# Altium PCB PCB1_backup1.PcbDoc
Units mil, origin at the board's own origin, x right, y up, seen from the top; angles counter-clockwise.
Board outline 2660 x 2700 mil, 2 copper layers (Top Layer, Bottom Layer); 58 components, 43 nets, 237 pads, 32 vias.
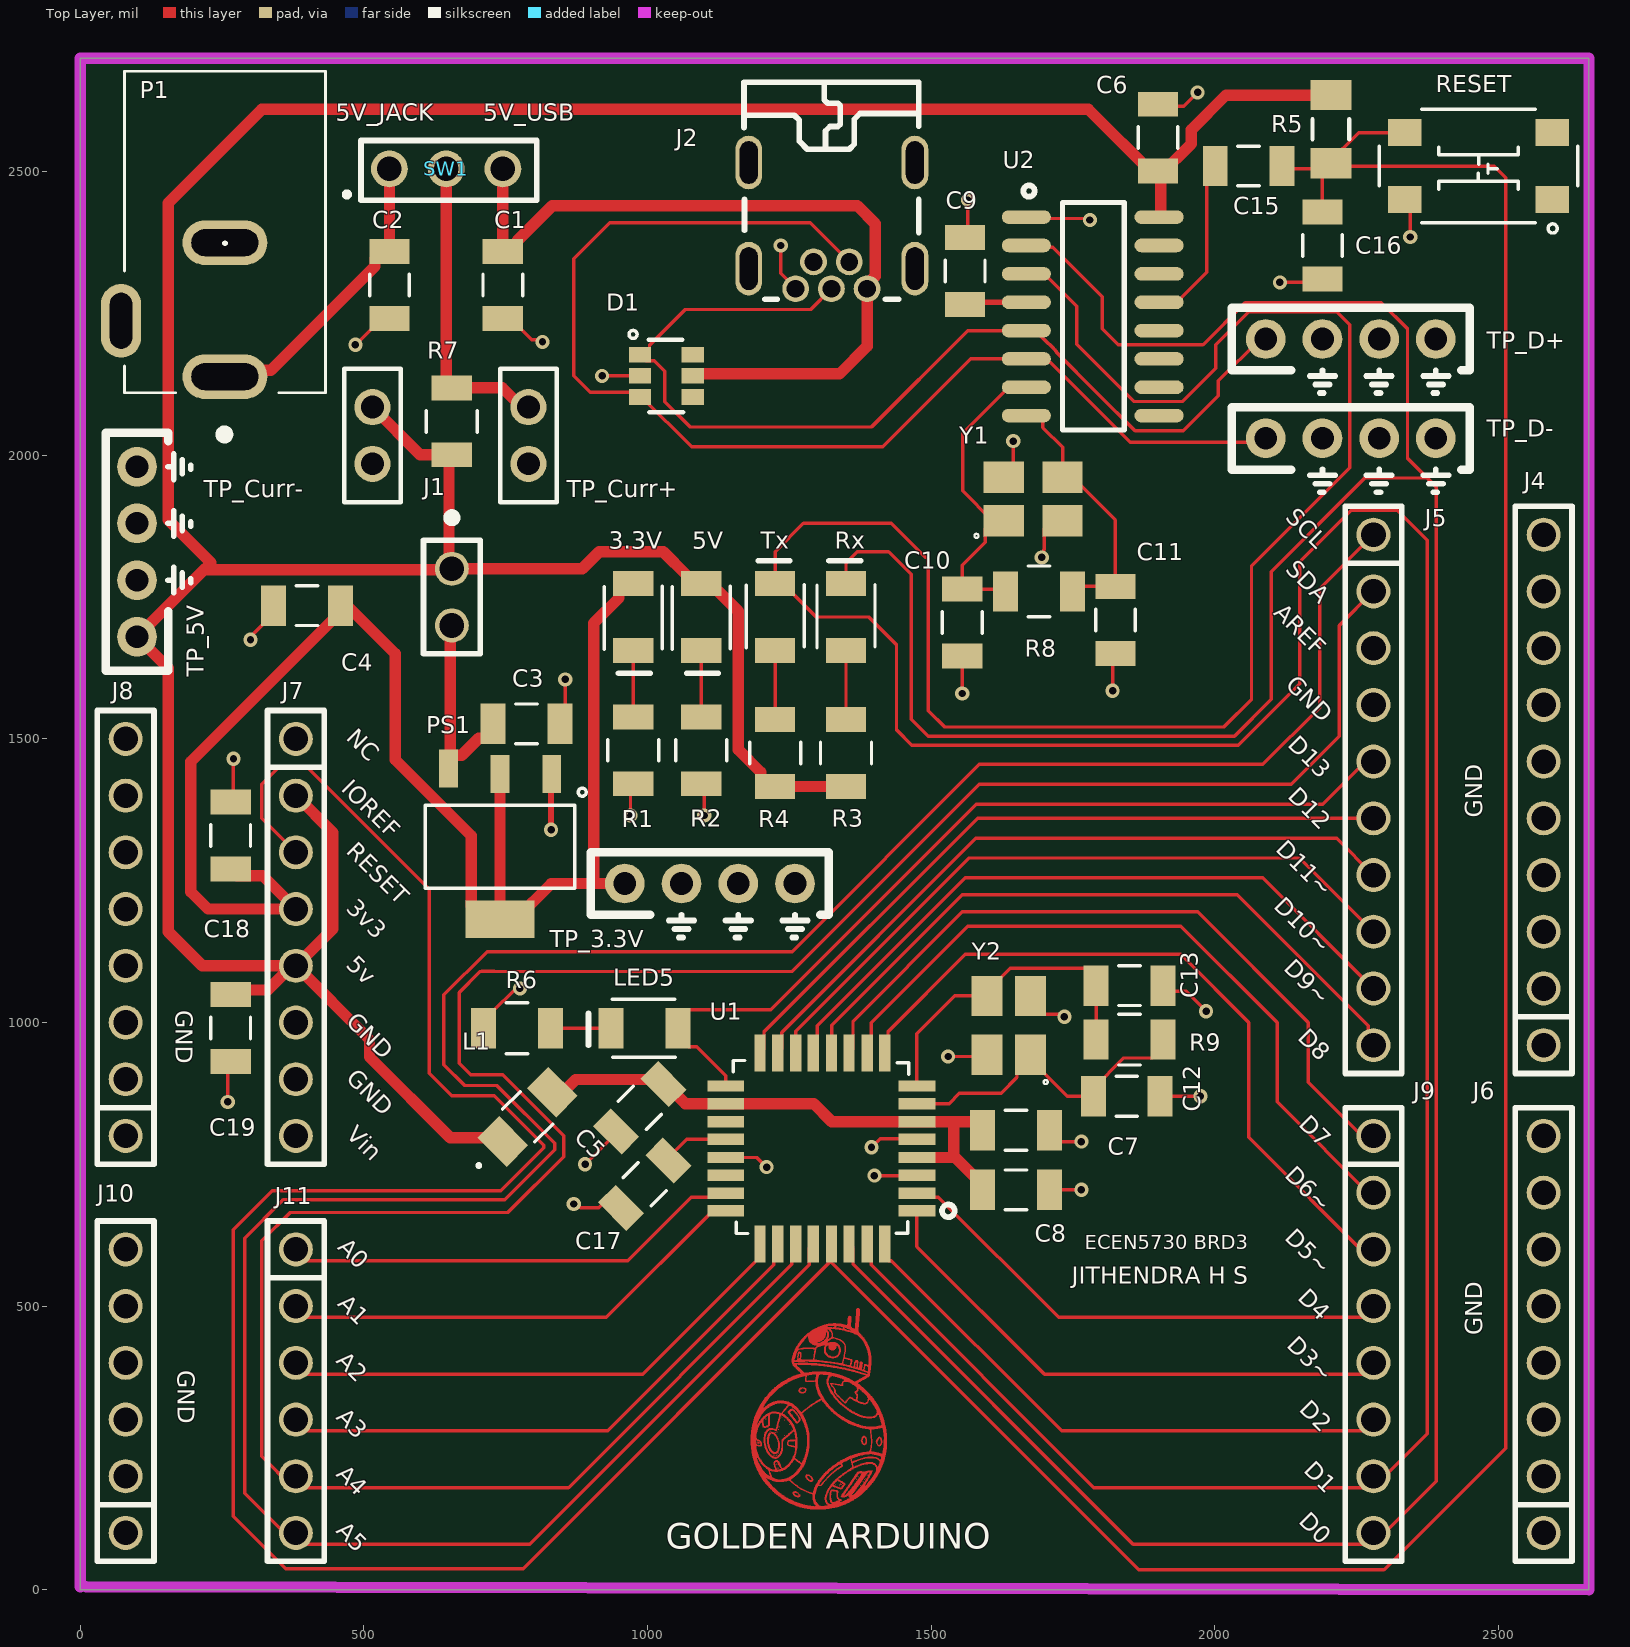
[diagram p0: Top Layer view]
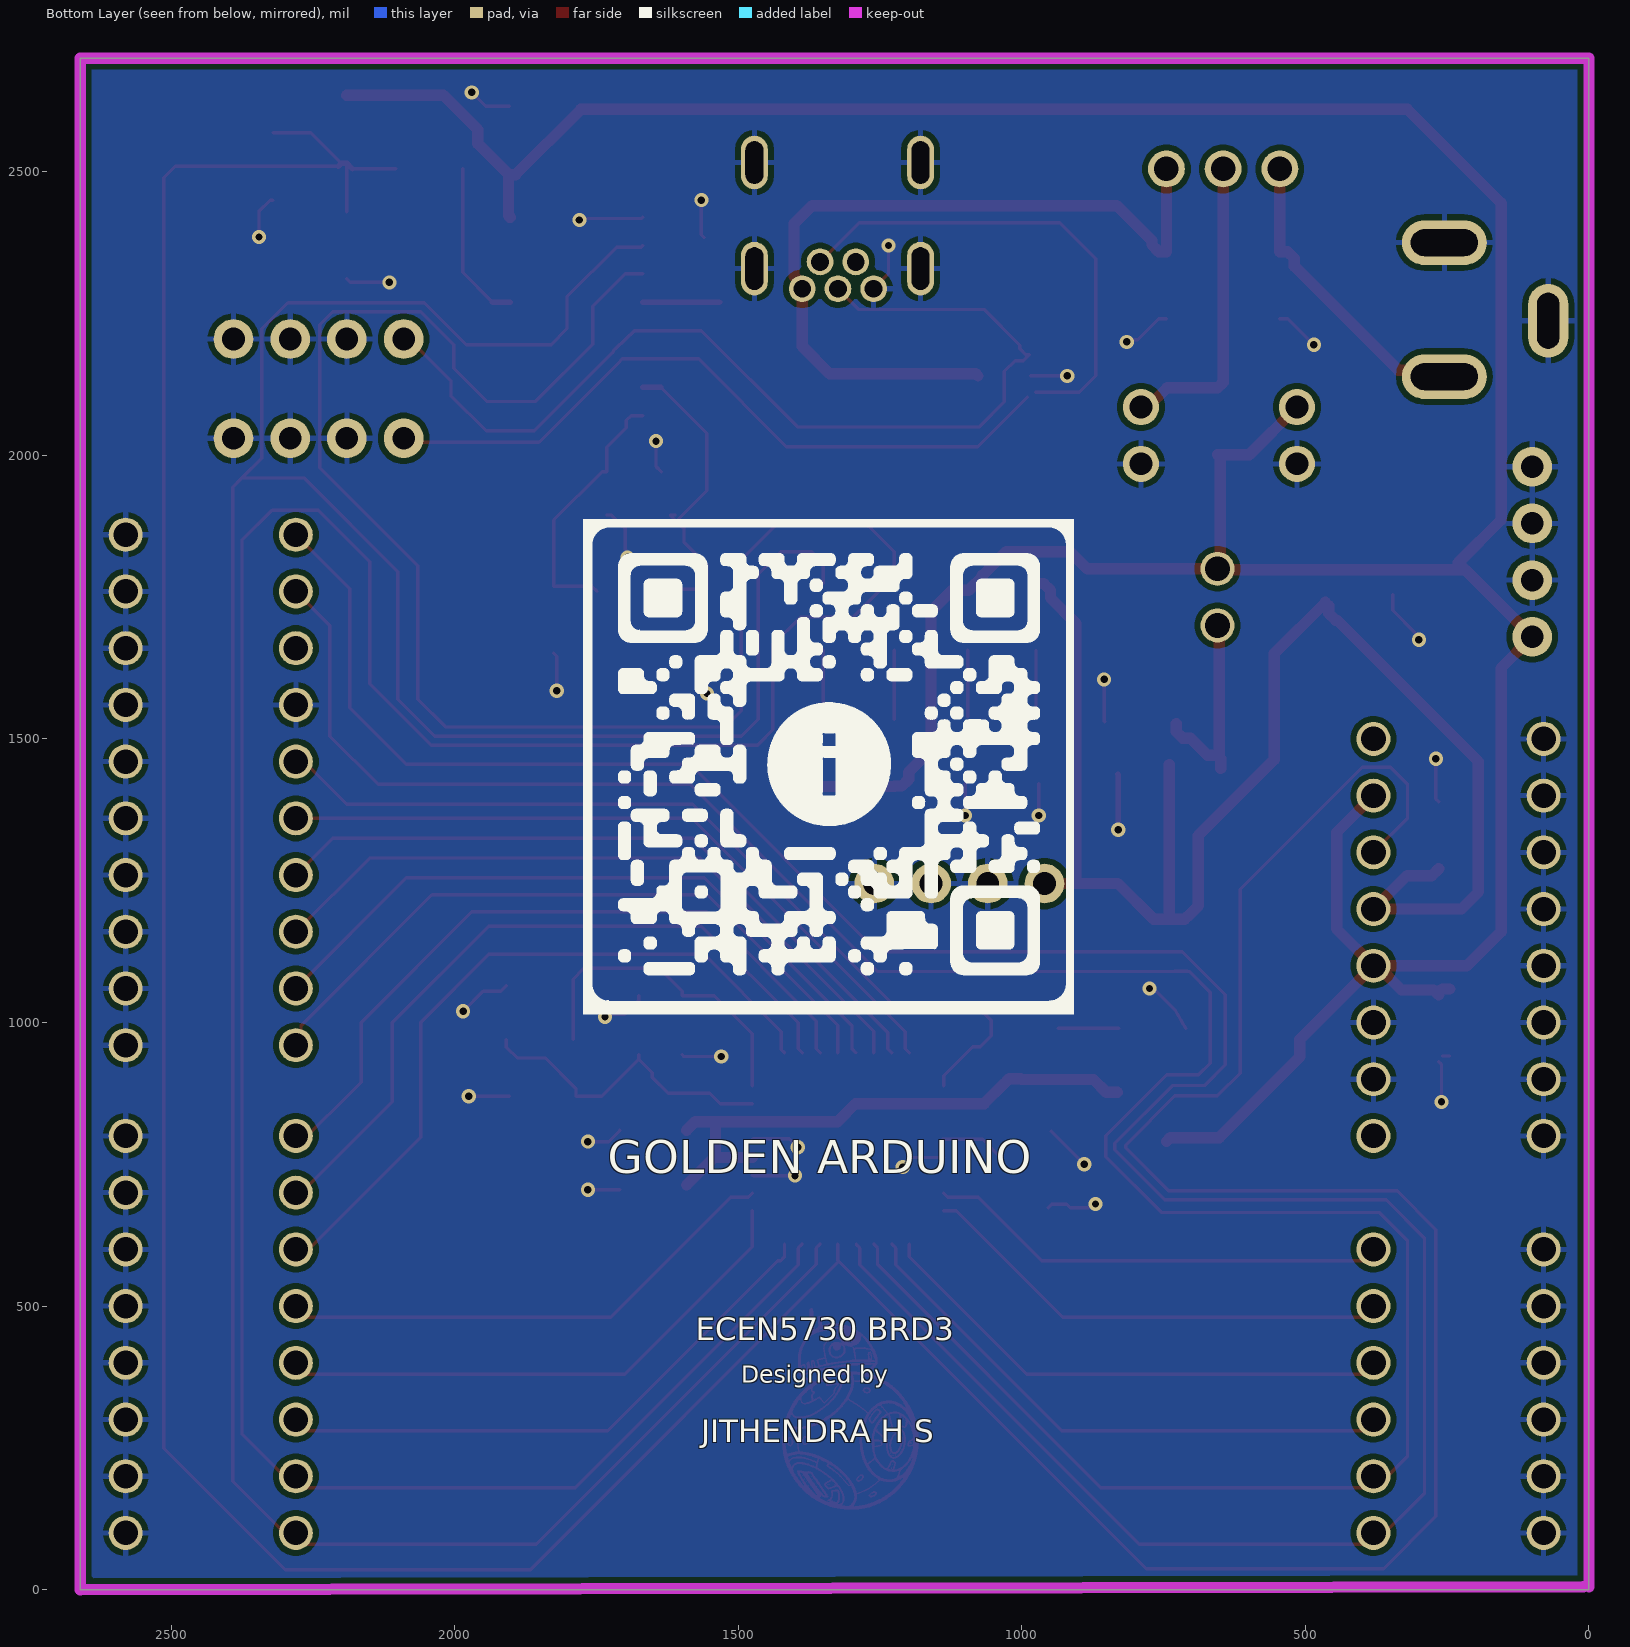
[diagram p1: Bottom Layer view, seen from below]
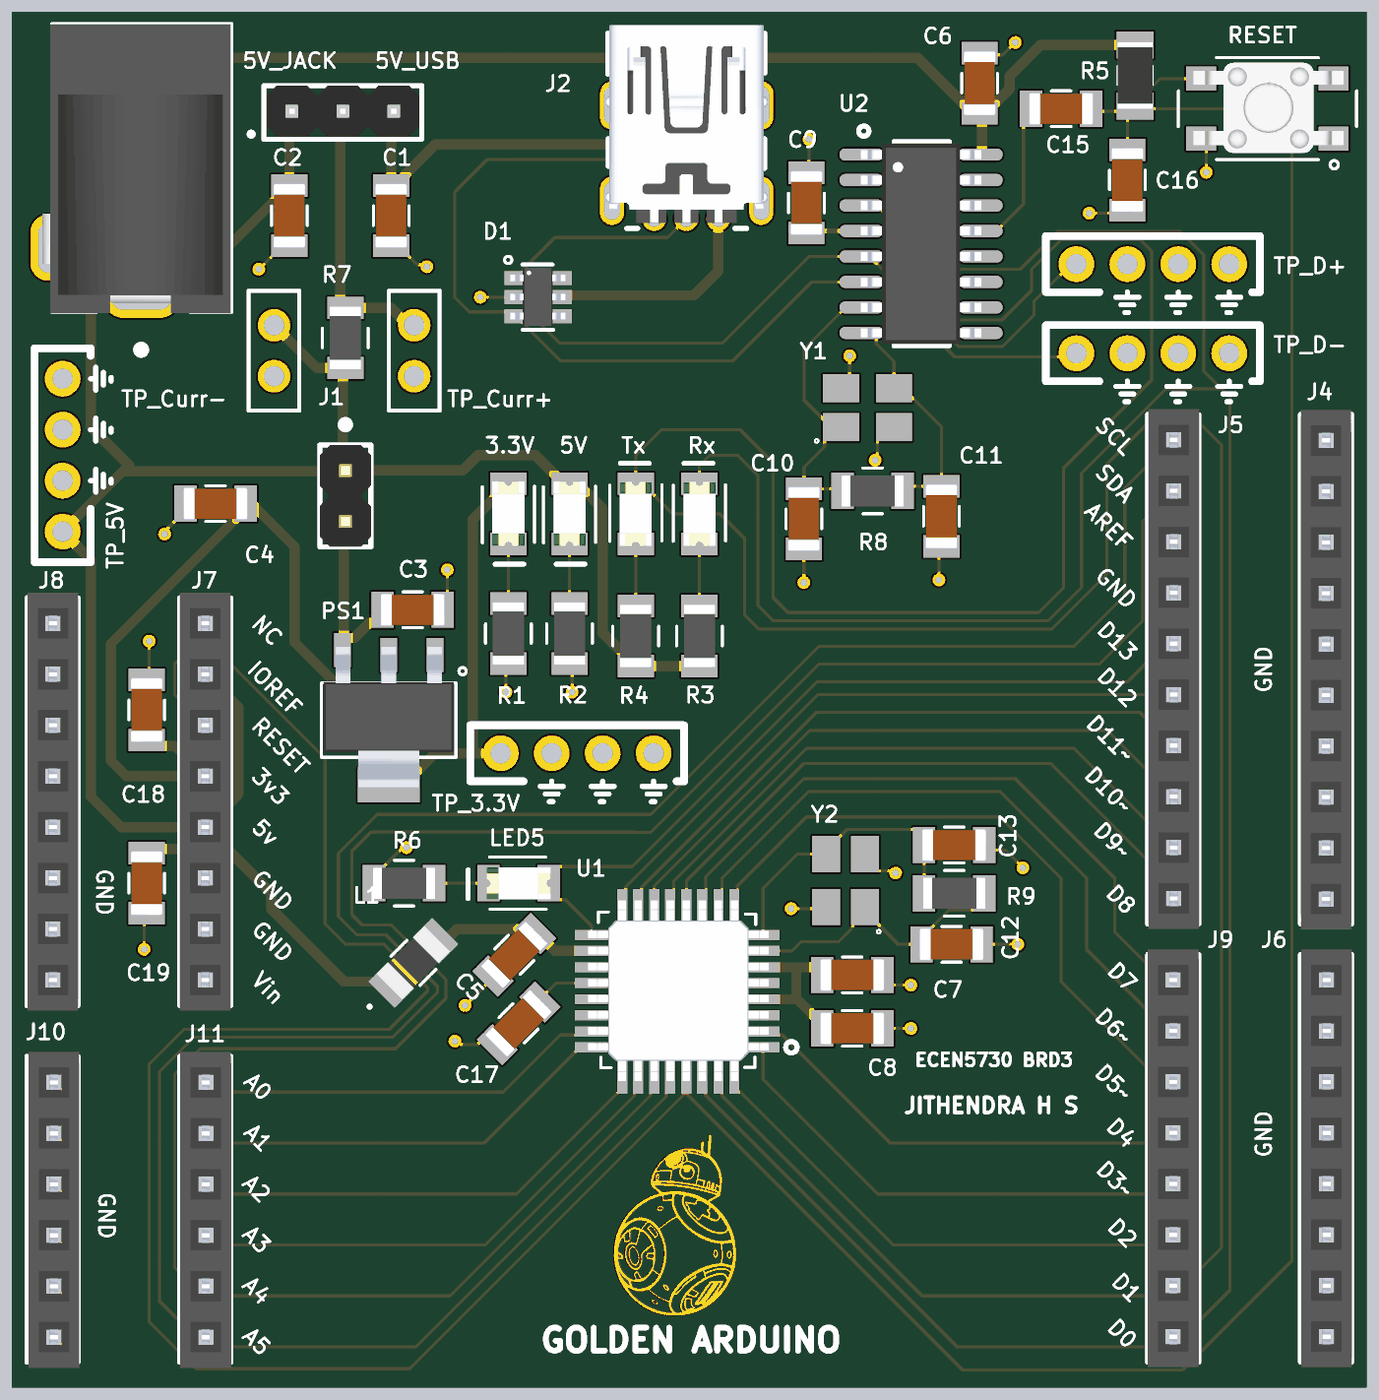
[diagram p2: 3D render of the assembled board from above, using the file's embedded part models]

## Layer stack, top to bottom
Top Solder: solder mask 0.4, Solder Resist, Dk 3.5
Top Layer: signal copper 1.4
Dielectric 1: dielectric 12.6, FR-4, Dk 4.8
Bottom Layer: signal copper 1.4
Bottom Solder: solder mask 0.4, Solder Resist, Dk 3.5

## Board outline
0,0 2660,0 2660,2700 0,2700

## Design rules (kind name [scope] priority, off if disabled: settings)
Clearance [All] p1: gap=10 ignorepadtopadclearanceinfootprint=FALSE
PlaneClearance [All] p1: clearance=10
PlaneConnect [All] p1: planeconnectstyle=Direct reliefexpansion=20 reliefentries=4 reliefconductorwidth=10 reliefairgap=10
PolygonConnect [All] p1: thpad.connectstyle=Relief thpad.reliefconductorwidth=10 thpad.reliefentries=4 thpad.polygonreliefangle="90 Angle" thpad.airgapwidth=10 smdpad.connectstyle=Direct smdpad.reliefconductorwidth=10 smdpad.reliefentries=4 smdpad.polygonreliefangle="90 Angle" smdpad.airgapwidth=10 via.connectstyle=Direct via.reliefconductorwidth=10 via.reliefentries=4 via.polygonreliefangle="90 Angle" via.airgapwidth=10
RoutingVias [All] p1: holewidth=13 width=25 viastyle="Through Hole" minholewidth=13 minwidth=25 maxholewidth=60 maxwidth=80
SolderMaskExpansion [All] p1: expansion=4 istentingtop=FALSE
Width "Schematic Width Constraint_6" [InNet('NetC5_2')] p1: maxlimit=30 minlimit=20 preferedwidth=20 minimp=50.000000 maximp=50.000000 favimp=50.000000
Width "Schematic Width Constraint_5" [InNet('NetC3_1')] p2: maxlimit=30 minlimit=20 preferedwidth=20 minimp=50.000000 maximp=50.000000 favimp=50.000000
Width "Schematic Width Constraint_4" [InNet('+5')] p3: maxlimit=30 minlimit=20 preferedwidth=20 minimp=50.000000 maximp=50.000000 favimp=50.000000
Width "Schematic Width Constraint_3" [InNet('5V_USB')] p4: maxlimit=30 minlimit=20 preferedwidth=20 minimp=50.000000 maximp=50.000000 favimp=50.000000
Width "Schematic Width Constraint_2" [InNet('3.3V')] p5: maxlimit=30 minlimit=20 preferedwidth=20 minimp=50.000000 maximp=50.000000 favimp=50.000000
Width "Schematic Width Constraint_1" [InNet('5V_JACK')] p6: maxlimit=30 minlimit=20 preferedwidth=20 minimp=50.000000 maximp=50.000000 favimp=50.000000
Width "Schematic Width Constraint" [InNet('NetR7_2')] p7: maxlimit=30 minlimit=20 preferedwidth=20 minimp=50.000000 maximp=50.000000 favimp=50.000000
Width [All] p8: maxlimit=10 minlimit=6 preferedwidth=6 minimp=50.000000 maximp=50.000000 favimp=50.000000
28 further rules are at their usual default settings.

## Classes and differential pairs
component class Sheet2: C18 C19 J4 J5 J6 J7 J8 J9 J10 J11
component class Sheet1: 3.3V 5V C1 C2 C3 C4 C5 C6 C7 C8 C9 C10 C11 C12 C13 C15 C16 C17 D1 J1 J2 L1 LED5 P1 PS1 R1 R2 R3 R4 R5 R6 R7 R8 R9 RESET Rx SW1 TP_3.3V TP_5V TP_Curr+ TP_Curr- TP_D+ TP_D- Tx U1 U2 Y1 Y2

## Components (designator, comment, footprint, x,y, rotation, side; value= is the part's Value field where it differs from the comment)
3.3V "LED_RED_1206" LED_1206 975,1715 r270 top value=Red
5V "LED_RED_1206" LED_1206 1095,1715 r270 top value=Red
C1 "C_22uF_1206" 1206_Passive_Capacitor 745,2300 r90 top value=22µF
C2 "C_22uF_1206" 1206_Passive_Capacitor 545,2300 r90 top value=22µF
C3 "C_22uF_1206" 1206_Passive_Capacitor 786.98,1526.65 r0 top value=22µF
C4 "C_22uF_1206" 1206_Passive_Capacitor 400,1735 r180 top value=22µF
C5 "C_22uF_1206" 1206_Passive_Capacitor 986.52,849.57 r45 top value=22µF
C6 "C_22uF_1206" 1206_Passive_Capacitor 1900,2560 r90 top value=22µF
C7 "C_22uF_1206" 1206_Passive_Capacitor 1650,810 r180 top value=22µF
C8 "C_22uF_1206" 1206_Passive_Capacitor 1650,705 r180 top value=22µF
C9 "C_22uF_1206" 1206_Passive_Capacitor 1560,2325 r90 top value=22µF
C10 "C_22uF_1206" 1206_Passive_Capacitor 1555,1705 r90 top value=22pF
C11 "C_22uF_1206" 1206_Passive_Capacitor 1825,1710 r90 top value=22pF
C12 "C_22uF_1206" 1206_Passive_Capacitor 1845,870 r180 top value=22pF
C13 "C_22uF_1206" 1206_Passive_Capacitor 1850,1065 r180 top value=22pF
C15 "10uF" 1206_Passive_Capacitor 2060,2510 r0 top
C16 "C_1uF_1206" 1206_Passive_Capacitor 2190,2370 r90 top value=1µF
C17 "1uF" 1206_Passive_Capacitor 995,715 r225 top
C18 "22uF" 1206_Passive_Capacitor 265,1330 r270 top
C19 "22uF" 1206_Passive_Capacitor 265,990 r90 top
D1 "D_TVS_Diode" TVS 1032.6,2140.17 r0 top value="TVS DIODE 5.5V 6TSOP"
J1 "JM_2_PIN_MALE" 2_PIN_100MIL 655,1750 r270 top value="2 PIN"
J2 "J_USB_B_Mini" USB_MINI_B 1325,2405 r180 top value="USB mini B"
J4 "JF_10_PIN_FEMALE_" "10_PIN_100MIL - Female" 2580,960 r90 top value=Female
J5 "JF_10_PIN_FEMA_ARDUINO" 10_PIN_ARDUINO_100MIL 2280,1860 r270 top value=Female
J6 "JF_8_PIN_FEMALE" "8_PIN_100MIL - Female" 2580,100 r90 top value=Female
J7 "JF_8_PIN_FEMA_ARD-Pwr" 8_PIN_ARD-PWR_100MIL 380,1500 r270 top value=Female
J8 "JF_8_PIN_FEMALE" "8_PIN_100MIL - Female" 80,800 r90 top value=Female
J9 "JF_8_PIN_FEMA_ARD-Dig" 8_PIN_ARD-DIG_100MIL 2280,800 r270 top value=Female
J10 "JF_6_PIN_FEMALE" "6_PIN_100MIL -Female" 80,100 r90 top value=Female
J11 "JF_6_PIN_FEMA_ARD-Anolog" 6_PIN_ARD-Analog_100mil 380,600 r270 top value=Female
L1 "FB_10uH_1206" AIML-1206_ABR-M 788.51,833.7 r45 top
LED5 "LED_RED_1206" LED_1206 995,990 r180 top value=Red
P1 "P_Power Jack" Power_Jack 255,2138.78 r90 top value="CONN PWR JACK 2X5.5MM SOLDER"
PS1 "PS_AMS_LDO_3v3" LDO 740,1310 r180 top value="IC REG LINEAR 3.3V 800MA SOT223"
R1 "R_1K_1206" 1206_Passive_Resitor 975,1480 r90 top value=1k
R2 "R_1K_1206" 1206_Passive_Resitor 1095,1480 r90 top value=1k
R3 "R_1K_1206" 1206_Passive_Resitor 1350,1475 r90 top value=1k
R4 "R_1K_1206" 1206_Passive_Resitor 1225,1475 r90 top value=1k
R5 "Resistor 10k +/-1% 1206 250 mW" RESC3216X60X45ML15T20 2205,2575 r90 top value=10k
R6 "R_1K_1206" 1206_Passive_Resitor 770,990 r0 top value=1k
R7 "R_500mOhm_1206" 1206_Passive_Resitor 655,2060 r90 top value=0.5
R8 "1M" 1206_Passive_Resitor 1690,1760 r0 top value="1M Ohm"
R9 "1M" 1206_Passive_Resitor 1850,970 r180 top value="1M Ohm"
RESET "SW_Push_Button_JLC" Switch_JLC 2465,2510 r180 top
Rx "LED_RED_1206" LED_1206 1350,1715 r90 top value=Red
SW1 "SW_3Pin_100mil_Switch" 3_PIN_100mil 545,2505 r0 top value="CONN HEADER VERT 3POS 2.54MM"
TP_3.3V "TP_10x_Probe" TP10x_Probe 1110,1245 r0 top
TP_5V "TP_10x_Probe" TP10x_Probe 100,1830 r90 top
TP_Curr+ "TP_Curr+" TP_Diff_Probe 790,1985 r90 top
TP_Curr- "TP_Curr-" TP_Diff_Probe 515,2085 r270 top
TP_D+ "TP_D+" TP10x_Probe 2240,2205 r0 top
TP_D- "TP_D-" TP10x_Probe 2240,2030 r0 top
Tx "LED_RED_1206" LED_1206 1225,1715 r90 top value=Red
U1 "U_ATMega328P" ATMega328P 1306.5,778 r0 top value="IC MCU 8BIT 32KB FLASH 32TQFP"
U2 "U_USBtoSerial" "USB to serial" 1785,2245 r270 top value="USB to Serial"
Y1 "X_12MHz_Res" "Crystal resonator" 1680,1925 r0 top value=12MHz
Y2 "X322516MLB4SI" "Crystal resonator" 1635,995 r90 top value=16MHz

## Footprints (in the part's own frame and the unit in brackets; to place one, negate y for a bottom-side part, rotate by r counter-clockwise, add the part's x,y. Pads: shape width x height; smd on the part's side, far side on the other; paste and mask are expansions set on the pad)
2_PIN_100MIL [mil]
  round 60 hole 43.31: 1(-50,0) 2(50,0)
  silkscreen extent -145,-50 100,50, body extent -100,-50 100,50, height 336
3_PIN_100mil [mm]
  round 1.65 hole 1.1: 1(0,0) 2(2.54,0) 3(5.08,0)
  silkscreen extent -2,-1.4 6.6,1.27, body extent -1.14,-1.27 6.48,1.27, height 8.38
"6_PIN_100MIL -Female" [mil]
  round 60 hole 43.31: 1(0,0) 2(100,0) 3(200,0) 4(300,0) 5(400,0) 6(500,0)
  silkscreen extent -50,-50 550,50, body extent -61,-53 559,47, height 335
6_PIN_ARD-Analog_100mil [mil]
  round 60 hole 43.31: 1(0,0) 2(100,0) 3(200,0) 4(300,0) 5(400,0) 6(500,0)
  silkscreen extent -50,-50 550,50, body extent -59,-49 561,51, height 335
"8_PIN_100MIL - Female" [mil]
  round 60 hole 43.31: 1(0,0) 2(100,0) 3(200,0) 4(300,0) 5(400,0) 6(500,0) 7(600,0) 8(700,0)
  silkscreen extent -50,-50 750,50, body extent -60,-51 760,49, height 335
8_PIN_ARD-DIG_100MIL [mil]
  round 60 hole 43.31: 1(0,0) 2(100,0) 3(200,0) 4(300,0) 5(400,0) 6(500,0) 7(600,0) 8(700,0)
  silkscreen extent -50,-50 750,50, body extent -60,-50 760,50, height 335
8_PIN_ARD-PWR_100MIL [mil]
  round 60 hole 43.31: 1(0,0) 2(100,0) 3(200,0) 4(300,0) 5(400,0) 6(500,0) 7(600,0) 8(700,0)
  silkscreen extent -50,-50 750,50, body extent -60,-50 760,50, height 335
"10_PIN_100MIL - Female" [mil]
  round 60 hole 43.31: 1(0,0) 2(100,0) 3(200,0) 4(300,0) 5(400,0) 6(500,0) 7(600,0) 8(700,0) 9(800,0) 10(900,0)
  silkscreen extent -50,-50 950,50, body extent -61,-50 959,50, height 335
10_PIN_ARDUINO_100MIL [mil]
  round 60 hole 43.31: 1(0,0) 2(100,0) 3(200,0) 4(300,0) 5(400,0) 6(500,0) 7(600,0) 8(700,0) 9(800,0) 10(900,0)
  silkscreen extent -50,-50 950,50, body extent -60,-49 960,51, height 335
1206_Passive_Capacitor [mil]
  rect 44x71 smd: 1(-59,0) 2(59,0)
  silkscreen extent -19,-35 19,35, body extent -63,-31 63,32, height 50
1206_Passive_Resitor [mil]
  rect 44x71 smd: 1(-59,0) 2(59,0)
  silkscreen extent -19,-45 19,45, body extent -61,-31 61,31, height 26
AIML-1206_ABR-M [mil]
  rect 54x73 smd paste+0 mask+0: 1(-61.5,0) 2(61.5,0)
  silkscreen extent -124,-41 22,41, body extent -66,-36 66,36, height 55
ATMega328P [mm]
  rect 1.65x0.508 smd mask+0.025: 1(4.28,-2.794) 2(4.28,-2.007) 3(4.28,-1.194) 4(4.28,-0.406) 5(4.28,0.406) 6(4.28,1.194) 7(4.28,2.007) 8(4.28,2.794) 17(-4.28,2.794) 18(-4.28,2.007) 19(-4.28,1.194) 20(-4.28,0.406) 21(-4.28,-0.406) 22(-4.28,-1.194) 23(-4.28,-2.007) 24(-4.28,-2.794)
  rect 0.508x1.65 smd mask+0.025: 9(2.843,4.28) 10(2.056,4.28) 11(1.243,4.28) 12(0.455,4.28) 13(-0.357,4.28) 14(-1.145,4.28) 15(-1.958,4.28) 16(-2.745,4.28) 25(-2.745,-4.28) 26(-1.958,-4.28) 27(-1.145,-4.28) 28(-0.357,-4.28) 29(0.455,-4.28) 30(1.243,-4.28) 31(2.056,-4.28) 32(2.843,-4.28)
  silkscreen extent -3.94,-3.81 5.97,3.94, body extent -4.45,-4.47 4.55,4.53, height 1.16
"Crystal resonator" [mm]
  rect 1.8x1.4 smd: 1(-1.32,-1.02) 2(1.32,-1.02) 3(1.32,0.92) 4(-1.32,0.92)
  silkscreen extent -2.63,-1.79 -2.45,-1.61, body extent -1.65,-1.2 1.65,1.2, height 0.8
LDO [mm]
  rect 0.838x1.7 smd: 1(-2.311,-3.25) 2(0,-3.25) 3(2.311,-3.5)
  rect 3.099x1.7 smd: 4(0,3.25)
  silkscreen extent -3.86,-2.62 3.35,1.85, body extent -3.25,-3.65 3.25,3.35, height 1.85
LED_1206 [mil]
  rect 44x71 smd: 1(-59,0) 2(59,0)
  silkscreen extent -54,-51 99,51, body extent -63,-31 63,31, height 28
Power_Jack [mm]
  oval 2x3.8 hole 1.2 slot 3 at 90 deg: 1(0,0) 2(6,0)
  oval 3.3x1.8 hole 1 slot 2.5 at 0 deg: 3(2.5,4.65)
  silkscreen extent -2.79,-4.5 13.68,4.5, body extent -0.76,-4.45 13.64,4.95, height 11.49
RESC3216X60X45ML15T20 [mm] "Chip Resistor, 2-Leads, Body 3.3x1.75mm, IPC Low Density"
  rect 1.35x1.85 smd: 1(-1.525,0) 2(1.525,0)
  silkscreen extent -0.45,-0.82 0.45,0.82, body extent -1.65,-0.87 1.65,0.87, height 0.6
Switch_JLC [mm]
  rect 1.5x1.2 smd: 1(-3.3,1.5) 2(3.3,1.5) 3(-3.3,-1.5) 4(3.3,-1.5)
  silkscreen extent -4.44,-2.54 4.45,3, body extent -3.8,-2.29 3.7,2.21, height 3.7
TP10x_Probe [mil] "Small Probs footprint"
  round 70 hole 40: 1(-150,0) 2(-50,0) 2(50,0) 2(150,0)
  silkscreen extent -210,-95 210,55
TP_Diff_Probe [mm]
  round 1.62 hole 1.02: 1(0,0) 2(2.54,0)
  silkscreen extent -1.72,-1.27 4.26,1.26
TVS [mm]
  rect 1x0.7 smd mask+0.025: 1(-1.162,0.95) 2(-1.162,0) 3(-1.162,-0.95) 4(1.2,-0.95) 5(1.2,0) 6(1.2,0.95)
  silkscreen extent -1.65,-1.63 0.76,2.03, body extent -1.37,-1.44 1.38,1.46, height 1.1
"USB to serial" [mil]
  oval 24x86.61 smd: 1(-175,-117) 2(-125,-117) 3(-75,-117) 4(-25,-117) 5(25,-117) 6(75,-117) 7(125,-117) 8(175,-117) 9(175,117) 10(125,117) 11(75,117) 12(25,117) 13(-25,117) 14(-75,117) 15(-125,117) 16(-175,117)
  silkscreen extent -231,-122 201,56, body extent -197,-118 197,118, height 71
USB_MINI_B [mm]
  round 1.2 hole 0.8: 1(-1.58,2.826) 2(-0.78,1.622) 3(0.02,2.826) 4(0.82,1.622) 5(1.62,2.826)
  oval 1.2x2.4 hole 0.8 slot 1.9 at 90 deg: 6(-3.72,1.924) 7(3.72,1.924) 8(-3.72,-2.826) 9(3.72,-2.826)
  silkscreen extent -3.89,-6.42 3.93,3.3, body extent -4.04,-6.83 4.06,3.02, height 3.98
